# Allegro board 8880F5-0823_RXTX.brd (continued)
## Routing (per net, layer and track width the routed paths; a pad name or vN(x,y) marks a point on that pad's centre or on a via; arc(x,y) is an arc through that point) (continued)
D123.A6 246.38,56.69 ; D123.A6 247.19,55.88 ; D301.B16 346.15,91.44 ; D301.B16 344.73,91.44 ; D301.B16 345.44,92.15 ; D301.B16 345.44,90.73 ; D305.A11 407.11,83.82 ; D305.A11 406.4,83.11 ; D305.A11 405.69,83.82 ; D305.A11 406.4,84.53 ; D231.B4 193.85,368.3 ; D231.B4 193.04,367.49 ; D231.B4 192.23,368.3 ; D231.B4 193.04,369.11 ; D122.A3 239.57,73.66 ; D122.A3 238.76,72.85 ; D122.A3 238.76,74.47 ; D122.A3 237.95,73.66 ; 316.69,53.34 D103.A5 ; D103.A5 317.5,52.53 ; D103.A5 318.31,53.34 ; D103.A5 317.5,54.15 ; D431.A8 182.88,384.35 ; D431.A8 182.88,382.73 ; D431.A8 183.69,383.54 ; D431.A8 182.07,383.54 ; D111.A8 404.67,373.38 ; D111.A8 403.05,373.38 ; D111.A8 403.86,372.57 ; D111.A8 403.86,374.19 ; D110.B8 403.86,348.79 ; D110.B8 404.67,347.98 ; D110.B8 403.05,347.98 ; D110.B8 403.86,347.17 ; D302.A11 333.45,63.5 ; D302.A11 332.74,64.21 ; D302.A11 332.03,63.5 ; D302.A11 332.74,62.79 ; 175.26,67.87 D318.B7 ; D318.B7 174.55,68.58 ; D318.B7 175.26,69.29 ; D318.B7 175.97,68.58 ; D116.B6 336.09,388.62 ; D116.B6 335.28,387.81 ; D116.B6 334.47,388.62 ; D116.B6 335.28,389.43 ; D111.A12 394.51,373.38 ; D111.A12 393.7,372.57 ; D111.A12 393.7,374.19 ; D111.A12 392.89,373.38 ; D124.B9 254.81,38.1 ; D124.B9 254,38.91 ; D124.B9 254,37.29 ; D124.B9 253.19,38.1 ; D114.B1 347.98,351.33 ; D114.B1 347.98,349.71 ; D114.B1 348.79,350.52 ; D114.B1 347.17,350.52 ; 237.95,340.36 CSDPS425.C15 ; CSDPS425.C15 239.57,340.36 ; CSDPS425.C15 238.76,339.55 ; CSDPS425.C15 238.76,341.17 ; 255.73,35.56 D124.A10 ; D124.A10 256.54,34.75 ; D124.A10 257.35,35.56 ; D124.A10 256.54,36.37 ; 406.4,62.79 D306.A11 ; D306.A11 407.11,63.5 ; D306.A11 405.69,63.5 ; D306.A11 406.4,64.21 ; D431.B1 201.47,381 ; D431.B1 200.66,380.19 ; D431.B1 200.66,381.81 ; D431.B1 199.85,381 ; 414.02,90.73 D305.B14 ; D305.B14 414.73,91.44 ; D305.B14 413.31,91.44 ; D305.B14 414.02,92.15 ; D126.A2 15.24,77.01 ; D126.A2 16.05,76.2 ; D126.A2 14.43,76.2 ; D126.A2 15.24,75.39 ; 411.48,349.71 D110.B5 ; D110.B5 411.48,351.33 ; D110.B5 410.67,350.52 ; D110.B5 412.29,350.52 ; 169.47,63.5 D318.A5 ; D318.A5 170.18,62.79 ; D318.A5 170.89,63.5 ; D318.A5 170.18,64.21 ; 309.07,81.28 D102.B2 ; D102.B2 310.69,81.28 ; D102.B2 309.88,82.09 ; D102.B2 309.88,80.47 ; D128.A10 36.37,35.56 ; D128.A10 35.56,36.37 ; D128.A10 35.56,34.75 ; D128.A10 34.75,35.56 ; D115.A7 333.55,375.92 ; D115.A7 332.74,375.11 ; D115.A7 331.93,375.92 ; D115.A7 332.74,376.73 ; 233.68,52.53 D123.A1 ; D123.A1 232.87,53.34 ; D123.A1 234.49,53.34 ; D123.A1 233.68,54.15 ; D305.B4 388.62,92.15 ; D305.B4 388.62,90.73 ; D305.B4 387.91,91.44 ; D305.B4 389.33,91.44 ; 159.31,63.5 D318.A1 ; D318.A1 160.73,63.5 ; D318.A1 160.02,62.79 ; D318.A1 160.02,64.21 ; 322.58,349.71 D114.B11 ; D114.B11 323.39,350.52 ; D114.B11 321.77,350.52 ; D114.B11 322.58,351.33 ; 189.69,370.84 D231.B5 ; D231.B5 190.5,370.03 ; D231.B5 191.31,370.84 ; D231.B5 190.5,371.65 ; D111.A6 408.94,374.19 ; D111.A6 408.13,373.38 ; D111.A6 408.94,372.57 ; D111.A6 409.75,373.38 ; D302.B14 341.07,71.12 ; D302.B14 340.36,71.83 ; D302.B14 340.36,70.41 ; D302.B14 339.65,71.12 ; D431.A13 170.99,386.08 ; D431.A13 169.37,386.08 ; D431.A13 170.18,386.89 ; D431.A13 170.18,385.27 ; D107.A4 389.43,55.88 ; D107.A4 388.62,56.69 ; D107.A4 387.81,55.88 ; D107.A4 388.62,55.07 ; D113.A13 317.5,336.09 ; D113.A13 316.69,335.28 ; D113.A13 318.31,335.28 ; D113.A13 317.5,334.47 ; 184.61,53.34 D119.A11 ; D119.A11 186.23,53.34 ; D119.A11 185.42,52.53 ; D119.A11 185.42,54.15 ; 403.86,75.39 D106.A10 ; D106.A10 403.05,76.2 ; D106.A10 403.86,77.01 ; D106.A10 404.67,76.2 ; D317.A8 178.51,86.36 ; D317.A8 177.8,87.07 ; D317.A8 177.09,86.36 ; D317.A8 177.8,85.65 ; D301.A3 312.42,84.53 ; D301.A3 311.71,83.82 ; D301.A3 312.42,83.11 ; D301.A3 313.13,83.82 ; 306.53,78.74 D102.B1 ; D102.B1 307.34,79.55 ; D102.B1 308.15,78.74 ; D102.B1 307.34,77.93 ; 330.23,185.95 SITE4.G18 ; SITE4.G18 330.71,186.43 ; SITE4.G18 329.75,186.43 ; SITE4.G18 330.23,186.91 ; D109.A4 414.83,332.74 ; D109.A4 414.02,331.93 ; D109.A4 414.02,333.55 ; D109.A4 413.21,332.74 ; UNK2U1.4 483.53,228.55 ; UNK2U1.4 482.59,229.49 ; UNK2U1.4 481.65,228.55 ; UNK2U1.4 482.59,227.61 ; 248.21,63.5 D322.A7 ; D322.A7 248.92,62.79 ; D322.A7 249.63,63.5 ; D322.A7 248.92,64.21 ; 194.77,33.02 D120.A15 ; D120.A15 195.58,32.21 ; D120.A15 196.39,33.02 ; D120.A15 195.58,33.83 ; 101.6,37.29 D132.B7 ; D132.B7 102.41,38.1 ; D132.B7 101.6,38.91 ; D132.B7 100.79,38.1 ; D431.B6 187.96,379.27 ; D431.B6 187.15,378.46 ; D431.B6 188.77,378.46 ; D431.B6 187.96,377.65 ; D111.B13 391.16,371.65 ; D111.B13 390.35,370.84 ; D111.B13 391.97,370.84 ; D111.B13 391.16,370.03 ; 342.9,77.93 D102.B15 ; D102.B15 342.9,79.55 ; D102.B15 342.09,78.74 ; D102.B15 343.71,78.74 ; D127.B1 12.7,59.23 ; D127.B1 13.51,58.42 ; D127.B1 11.89,58.42 ; D127.B1 12.7,57.61 ; 248.11,58.42 D123.B7 ; D123.B7 249.73,58.42 ; D123.B7 248.92,57.61 ; D123.B7 248.92,59.23 ; D231.B2 198.12,369.11 ; D231.B2 197.31,368.3 ; D231.B2 198.93,368.3 ; D231.B2 198.12,367.49 ; D114.A14 315.77,353.06 ; D114.A14 314.96,352.25 ; D114.A14 314.15,353.06 ; D114.A14 314.96,353.87 ; D129.B5 97.33,99.06 ; D129.B5 96.52,99.87 ; D129.B5 96.52,98.25 ; D129.B5 95.71,99.06 ; D318.A2 162.56,66.75 ; D318.A2 161.85,66.04 ; D318.A2 163.27,66.04 ; D318.A2 162.56,65.33 ; D301.B4 315.67,91.44 ; D301.B4 314.96,90.73 ; D301.B4 314.96,92.15 ; D301.B4 314.25,91.44 ; D130.B9 106.68,79.55 ; D130.B9 106.68,77.93 ; D130.B9 105.87,78.74 ; D130.B9 107.49,78.74 ; D431.A4 193.85,383.54 ; D431.A4 193.04,384.35 ; D431.A4 192.23,383.54 ; D431.A4 193.04,382.73 ; 418.29,327.66 D109.B2 ; D109.B2 419.91,327.66 ; D109.B2 419.1,328.47 ; D109.B2 419.1,326.85 ; D231.B17 160.83,370.84 ; D231.B17 159.21,370.84 ; D231.B17 160.02,371.65 ; D231.B17 160.02,370.03 ; D103.B15 343.71,58.42 ; D103.B15 342.9,59.23 ; D103.B15 342.09,58.42 ; D103.B15 342.9,57.61 ; 27.13,99.06 D125.B7 ; D125.B7 27.94,98.25 ; D125.B7 28.75,99.06 ; 248.11,33.02 D124.A7 ; D124.A7 248.92,32.21 ; D124.A7 248.92,33.83 ; D124.A7 249.73,33.02 ; 235.51,66.04 D322.A2 ; D322.A2 236.22,65.33 ; D322.A2 236.93,66.04 ; D322.A2 236.22,66.75 ; D107.B6 393.7,61.77 ; D107.B6 393.7,60.15 ; D107.B6 392.89,60.96 ; D107.B6 394.51,60.96 ; D115.B14 315.77,368.3 ; D115.B14 314.96,367.49 ; D115.B14 314.15,368.3 ; D115.B14 314.96,369.11 ; D102.A6 320.85,76.2 ; D102.A6 319.23,76.2 ; D102.A6 320.04,77.01 ; D102.A6 320.04,75.39 ; 337.82,83.11 D301.A13 ; D301.A13 338.53,83.82 ; D301.A13 337.82,84.53 ; D301.A13 337.11,83.82 ; 324.31,332.74 D113.A10 ; D113.A10 325.12,331.93 ; D113.A10 325.93,332.74 ; D113.A10 325.12,333.55 ; 161.75,383.54 D431.A16 ; D431.A16 162.56,384.35 ; D431.A16 163.37,383.54 ; D431.A16 162.56,382.73 ; 393.7,55.07 D107.A6 ; D107.A6 394.51,55.88 ; D107.A6 393.7,56.69 ; D107.A6 392.89,55.88 ; D131.B7 101.6,59.23 ; D131.B7 100.79,58.42 ; D131.B7 101.6,57.61 ; D131.B7 102.41,58.42 ; D128.B15 48.26,38.91 ; D128.B15 48.26,37.29 ; D128.B15 49.07,38.1 ; D128.B15 47.45,38.1 ; D110.A6 408.94,353.87 ; D110.A6 408.13,353.06 ; D110.A6 408.94,352.25 ; D110.A6 409.75,353.06 ; DPS3.C11 259.89,19.05 ; DPS3.C11 259.08,19.86 ; DPS3.C11 259.08,18.24 ; DPS3.C11 258.27,19.05 ; D306.A14 414.02,66.75 ; D306.A14 413.31,66.04 ; D306.A14 414.02,65.33 ; D306.A14 414.73,66.04 ; 320.04,39.83 D104.B6 ; D104.B6 320.04,41.45 ; D104.B6 319.23,40.64 ; D104.B6 320.85,40.64 ; 390.45,88.9 D305.B5 ; D305.B5 391.16,89.61 ; D305.B5 391.87,88.9 ; D305.B5 391.16,88.19 ; 400.61,88.9 D305.B9 ; D305.B9 401.32,89.61 ; D305.B9 402.03,88.9 ; D305.B9 401.32,88.19 ; DPS2.A01 347.98,416.1 ; DPS2.A01 348.79,415.29 ; DPS2.A01 347.98,414.48 ; DPS2.A01 347.17,415.29 ; D130.A1 86.36,74.47 ; D130.A1 86.36,72.85 ; D130.A1 87.17,73.66 ; D130.A1 85.55,73.66 ; D302.A9 327.66,64.21 ; D302.A9 327.66,62.79 ; D302.A9 326.95,63.5 ; D302.A9 328.37,63.5 ; D103.A9 328.47,53.34 ; D103.A9 327.66,54.15 ; D103.A9 326.85,53.34 ; D103.A9 327.66,52.53 ; D104.A4 315.77,35.56 ; D104.A4 314.96,36.37 ; D104.A4 314.15,35.56 ; D104.A4 314.96,34.75 ; 330.2,367.49 D115.B8 ; D115.B8 331.01,368.3 ; D115.B8 329.39,368.3 ; D115.B8 330.2,369.11 ; D131.B8 104.14,61.77 ; D131.B8 103.33,60.96 ; D131.B8 104.95,60.96 ; D131.B8 104.14,60.15 ; 167.64,39.83 D120.B4 ; D120.B4 166.83,40.64 ; D120.B4 167.64,41.45 ; D120.B4 168.45,40.64 ; 180.34,375.11 D231.A9 ; D231.A9 179.53,375.92 ; D231.A9 180.34,376.73 ; D231.A9 181.15,375.92 ; 264.16,67.87 D322.B13 ; D322.B13 263.45,68.58 ; D322.B13 264.87,68.58 ; D322.B13 264.16,69.29 ; SITE4.G10 331.33,188.41 ; SITE4.G10 331.33,187.45 ; SITE4.G10 330.85,187.93 ; SITE4.G10 331.81,187.93 ; D431.B15 165.1,381.81 ; D431.B15 164.29,381 ; D431.B15 165.1,380.19 ; D431.B15 165.91,381 ; D109.B16 383.54,328.47 ; D109.B16 384.35,327.66 ; D109.B16 383.54,326.85 ; D109.B16 382.73,327.66 ; 332.74,57.61 D103.B11 ; D103.B11 333.55,58.42 ; D103.B11 332.74,59.23 ; D103.B11 331.93,58.42 ; 246.38,65.33 D322.A6 ; D322.A6 247.09,66.04 ; D322.A6 245.67,66.04 ; D322.A6 246.38,66.75 ; D107.B10 403.86,61.77 ; D107.B10 404.67,60.96 ; D107.B10 403.05,60.96 ; D107.B10 403.86,60.15 ; D131.B1 87.17,58.42 ; D131.B1 85.55,58.42 ; D131.B1 86.36,59.23 ; D131.B1 86.36,57.61 ; 232.97,83.82 D321.A1 ; D321.A1 234.39,83.82 ; D321.A1 233.68,83.11 ; D321.A1 233.68,84.53 ; D306.A8 398.78,66.75 ; D306.A8 399.49,66.04 ; D306.A8 398.07,66.04 ; D306.A8 398.78,65.33 ; 395.43,78.74 D106.B7 ; D106.B7 396.24,77.93 ; D106.B7 396.24,79.55 ; D106.B7 397.05,78.74 ; D113.B7 332.74,331.01 ; D113.B7 332.74,329.39 ; D113.B7 331.93,330.2 ; D113.B7 333.55,330.2 ; 32.21,33.02 D128.A9 ; D128.A9 33.83,33.02 ; D128.A9 33.02,33.83 ; D128.A9 33.02,32.21 ; 309.17,71.12 D302.B2 ; D302.B2 309.88,71.83 ; D302.B2 310.59,71.12 ; D302.B2 309.88,70.41 ; 385.27,38.1 D108.B3 ; D108.B3 386.89,38.1 ; D108.B3 386.08,38.91 ; D108.B3 386.08,37.29 ; 251.46,85.65 D321.A8 ; D321.A8 251.46,87.07 ; D321.A8 252.17,86.36 ; D321.A8 250.75,86.36 ; D104.A16 346.25,35.56 ; D104.A16 345.44,36.37 ; D104.A16 344.63,35.56 ; D104.A16 345.44,34.75 ; 314.15,327.66 D113.B14 ; D113.B14 314.96,326.85 ; D113.B14 315.77,327.66 ; D113.B14 314.96,328.47 ; 420.83,391.16 D112.B1 ; D112.B1 422.45,391.16 ; D112.B1 421.64,391.97 ; D112.B1 421.64,390.35 ; 411.48,370.03 D111.B5 ; D111.B5 411.48,371.65 ; D111.B5 410.67,370.84 ; D111.B5 412.29,370.84 ; 333.33,247.45 SITE2.G12 ; SITE2.G12 333.81,247.93 ; SITE2.G12 332.85,247.93 ; SITE2.G12 333.33,248.41 ; 182.88,85.65 D317.A10 ; D317.A10 182.17,86.36 ; D317.A10 182.88,87.07 ; D317.A10 183.59,86.36 ; D128.A6 26.21,35.56 ; D128.A6 25.4,34.75 ; D128.A6 24.59,35.56 ; D128.A6 25.4,36.37 ; 319.23,35.56 D104.A6 ; D104.A6 320.85,35.56 ; D104.A6 320.04,36.37 ; D104.A6 320.04,34.75 ; D317.A9 180.34,84.53 ; D317.A9 179.63,83.82 ; D317.A9 180.34,83.11 ; D317.A9 181.05,83.82 ; D116.A4 340.36,394.51 ; D116.A4 340.36,392.89 ; D116.A4 339.55,393.7 ; D116.A4 341.17,393.7 ; 251.85,241.33 SITE1.G5 ; SITE1.G5 252.81,241.33 ; SITE1.G5 252.33,241.81 ; SITE1.G5 252.33,240.85 ; 108.41,96.52 D129.A10 ; D129.A10 110.03,96.52 ; D129.A10 109.22,97.33 ; D129.A10 109.22,95.71 ; D116.B4 340.36,389.43 ; D116.B4 341.17,388.62 ; D116.B4 340.36,387.81 ; D116.B4 339.55,388.62 ; D128.B16 50.8,41.45 ; D128.B16 50.8,39.83 ; D128.B16 51.61,40.64 ; D128.B16 49.99,40.64 ; 161.75,373.38 D231.A16 ; D231.A16 162.56,372.57 ; D231.A16 163.37,373.38 ; D231.A16 162.56,374.19 ; D306.B13 412.19,68.58 ; D306.B13 410.77,68.58 ; D306.B13 411.48,69.29 ; D306.B13 411.48,67.87 ; 390.45,63.5 D306.A5 ; D306.A5 391.16,62.79 ; D306.A5 391.16,64.21 ; D306.A5 391.87,63.5 ; D321.B11 259.79,88.9 ; D321.B11 258.37,88.9 ; D321.B11 259.08,88.19 ; D321.B11 259.08,89.61 ; 410.67,38.1 D108.B13 ; D108.B13 412.29,38.1 ; D108.B13 411.48,37.29 ; D108.B13 411.48,38.91 ; 121.92,57.61 D131.B15 ; D131.B15 121.11,58.42 ; D131.B15 122.73,58.42 ; D131.B15 121.92,59.23 ; 162.56,377.65 D431.B16 ; D431.B16 161.75,378.46 ; D431.B16 163.37,378.46 ; D431.B16 162.56,379.27 ; D112.A15 386.08,397.05 ; D112.A15 386.08,395.43 ; D112.A15 386.89,396.24 ; D112.A15 385.27,396.24 ; SITE3.G17 249.03,186.91 ; SITE3.G17 249.51,186.43 ; SITE3.G17 249.03,185.95 ; SITE3.G17 248.55,186.43 ; 382.73,40.64 D108.B2 ; D108.B2 383.54,39.83 ; D108.B2 383.54,41.45 ; D108.B2 384.35,40.64 ; 20.32,60.15 D127.B4 ; D127.B4 21.13,60.96 ; D127.B4 20.32,61.77 ; D127.B4 19.51,60.96 ; SITE4.G7 328.81,187.93 ; SITE4.G7 327.85,187.93 ; SITE4.G7 328.33,188.41 ; SITE4.G7 328.33,187.45 ; 317.5,354.79 D114.A13 ; D114.A13 317.5,356.41 ; D114.A13 318.31,355.6 ; D114.A13 316.69,355.6 ; 238.76,67.87 D322.B3 ; D322.B3 238.05,68.58 ; D322.B3 239.47,68.58 ; D322.B3 238.76,69.29 ; DPS1.C05 391.97,19.05 ; DPS1.C05 391.16,18.24 ; DPS1.C05 391.16,19.86 ; DPS1.C05 390.35,19.05 ; D122.A16 272.59,76.2 ; D122.A16 271.78,75.39 ; D122.A16 271.78,77.01 ; D122.A16 270.97,76.2 ; D431.A5 190.5,386.89 ; D431.A5 191.31,386.08 ; D431.A5 190.5,385.27 ; D431.A5 189.69,386.08 ; 415.75,53.34 D107.A15 ; D107.A15 417.37,53.34 ; D107.A15 416.56,52.53 ; D107.A15 416.56,54.15 ; 306.63,88.9 D301.B1 ; D301.B1 307.34,88.19 ; D301.B1 307.34,89.61 ; D301.B1 308.05,88.9 ; D106.B3 386.89,78.74 ; D106.B3 385.27,78.74 ; D106.B3 386.08,77.93 ; D106.B3 386.08,79.55 ; D124.B16 271.78,41.45 ; D124.B16 271.78,39.83 ; D124.B16 270.97,40.64 ; D124.B16 272.59,40.64 ; SITE1.G8 249.33,248.41 ; SITE1.G8 248.85,247.93 ; SITE1.G8 249.33,247.45 ; SITE1.G8 249.81,247.93 ; 256.54,55.07 D123.A10 ; D123.A10 255.73,55.88 ; D123.A10 256.54,56.69 ; D123.A10 257.35,55.88 ; D306.A12 408.94,66.75 ; D306.A12 408.94,65.33 ; D306.A12 408.23,66.04 ; D306.A12 409.65,66.04 ; 400.61,68.58 D306.B9 ; D306.B9 401.32,67.87 ; D306.B9 401.32,69.29 ; D306.B9 402.03,68.58 ; 335.28,372.57 D115.A6 ; D115.A6 335.28,374.19 ; D115.A6 334.47,373.38 ; D115.A6 336.09,373.38 ; D305.B6 393.7,92.15 ; D305.B6 394.41,91.44 ; D305.B6 392.99,91.44 ; D305.B6 393.7,90.73 ; CSDPS225.B16 237.03,332.74 ; CSDPS225.B16 236.22,333.55 ; CSDPS225.B16 235.41,332.74 ; CSDPS225.B16 236.22,331.93 ; D126.A8 30.48,77.01 ; D126.A8 30.48,75.39 ; D126.A8 31.29,76.2 ; D126.A8 29.67,76.2 ; 340.36,65.33 D302.A14 ; D302.A14 339.65,66.04 ; D302.A14 340.36,66.75 ; D302.A14 341.07,66.04 ; D104.B10 331.01,40.64 ; D104.B10 330.2,41.45 ; D104.B10 329.39,40.64 ; D104.B10 330.2,39.83 ; 403.05,55.88 D107.A10 ; D107.A10 403.86,56.69 ; D107.A10 403.86,55.07 ; D107.A10 404.67,55.88 ; D305.B8 399.49,91.44 ; D305.B8 398.07,91.44 ; D305.B8 398.78,92.15 ; D305.B8 398.78,90.73 ; D115.B9 328.47,370.84 ; D115.B9 326.85,370.84 ; D115.B9 327.66,371.65 ; D115.B9 327.66,370.03 ; 184.61,38.1 D120.B11 ; D120.B11 185.42,37.29 ; D120.B11 185.42,38.91 ; D120.B11 186.23,38.1 ; 328.33,247.45 SITE2.G7 ; SITE2.G7 327.85,247.93 ; SITE2.G7 328.81,247.93 ; SITE2.G7 328.33,248.41 ; CSDPS425.B8 256.54,343.71 ; CSDPS425.B8 255.73,342.9 ; CSDPS425.B8 257.35,342.9 ; CSDPS425.B8 256.54,342.09 ; 108.41,40.64 D132.B10 ; D132.B10 109.22,41.45 ; D132.B10 110.03,40.64 ; D132.B10 109.22,39.83 ; 98.25,35.56 D132.A6 ; D132.A6 99.06,34.75 ; D132.A6 99.87,35.56 ; D132.A6 99.06,36.37 ; 327.66,329.39 D113.B9 ; D113.B9 327.66,331.01 ; D113.B9 326.85,330.2 ; D113.B9 328.47,330.2 ; 329.33,247.45 SITE2.G8 ; SITE2.G8 329.33,248.41 ; SITE2.G8 328.85,247.93 ; SITE2.G8 329.81,247.93 ; D128.B8 30.48,41.45 ; D128.B8 31.29,40.64 ; D128.B8 29.67,40.64 ; D128.B8 30.48,39.83 ; D113.B6 336.09,327.66 ; D113.B6 335.28,328.47 ; D113.B6 335.28,326.85 ; D113.B6 334.47,327.66 ; 245.57,76.2 D122.A6 ; D122.A6 246.38,77.01 ; D122.A6 247.19,76.2 ; D122.A6 246.38,75.39 ; D109.B9 402.13,330.2 ; D109.B9 401.32,331.01 ; D109.B9 400.51,330.2 ; D109.B9 401.32,329.39 ; D115.B7 333.55,370.84 ; D115.B7 331.93,370.84 ; D115.B7 332.74,371.65 ; D115.B7 332.74,370.03 ; 159.21,33.02 D120.A1 ; D120.A1 160.02,32.21 ; D120.A1 160.83,33.02 ; D120.A1 160.02,33.83 ; D119.B7 175.26,59.23 ; D119.B7 174.45,58.42 ; D119.B7 175.26,57.61 ; D119.B7 176.07,58.42 ; D103.A15 342.9,54.15 ; D103.A15 342.9,52.53 ; D103.A15 343.71,53.34 ; D103.A15 342.09,53.34 ; 20.32,100.79 D125.B4 ; D125.B4 21.13,101.6 ; D125.B4 20.32,102.41 ; D125.B4 19.51,101.6 ; D124.B10 256.54,41.45 ; D124.B10 256.54,39.83 ; D124.B10 255.73,40.64 ; D124.B10 257.35,40.64 ; D124.A13 264.16,33.83 ; D124.A13 264.97,33.02 ; D124.A13 263.35,33.02 ; D124.A13 264.16,32.21 ; D318.B4 168.35,71.12 ; D318.B4 166.93,71.12 ; D318.B4 167.64,71.83 ; D318.B4 167.64,70.41 ; D131.B2 89.71,60.96 ; D131.B2 88.09,60.96 ; D131.B2 88.9,60.15 ; D131.B2 88.9,61.77 ; SITE4.G20 333.11,186.43 ; SITE4.G20 332.63,186.91 ; SITE4.G20 332.15,186.43 ; SITE4.G20 332.63,185.95 ; D104.B5 318.31,38.1 ; D104.B5 316.69,38.1 ; D104.B5 317.5,37.29 ; D104.B5 317.5,38.91 ; 110.95,73.66 D130.A11 ; D130.A11 112.57,73.66 ; D130.A11 111.76,74.47 ; D130.A11 111.76,72.85 ; 197.31,76.2 D118.A16 ; D118.A16 198.93,76.2 ; D118.A16 198.12,77.01 ; D118.A16 198.12,75.39 ; D116.B5 337.82,391.97 ; D116.B5 337.01,391.16 ; D116.B5 338.63,391.16 ; D116.B5 337.82,390.35 ; CSDPS429.C15 165.1,341.17 ; CSDPS429.C15 164.29,340.36 ; CSDPS429.C15 165.91,340.36 ; CSDPS429.C15 165.1,339.55 ; D131.B3 91.44,59.23 ; D131.B3 92.25,58.42 ; D131.B3 90.63,58.42 ; D131.B3 91.44,57.61 ; 337.82,67.87 D302.B13 ; D302.B13 337.82,69.29 ; D302.B13 337.11,68.58 ; D302.B13 338.53,68.58 ; 245.57,60.96 D123.B6 ; D123.B6 246.38,61.77 ; D123.B6 246.38,60.15 ; D123.B6 247.19,60.96 ; D120.B2 162.56,41.45 ; D120.B2 161.75,40.64 ; D120.B2 163.37,40.64 ; D120.B2 162.56,39.83 ; D116.B9 328.47,391.16 ; D116.B9 327.66,390.35 ; D116.B9 327.66,391.97 ; D116.B9 326.85,391.16 ; 345.44,85.65 D301.A16 ; D301.A16 344.73,86.36 ; D301.A16 345.44,87.07 ; D301.A16 346.15,86.36 ; D119.B4 168.45,60.96 ; D119.B4 166.83,60.96 ; D119.B4 167.64,61.77 ; D119.B4 167.64,60.15 ; D118.A7 175.26,74.47 ; D118.A7 175.26,72.85 ; D118.A7 174.45,73.66 ; D118.A7 176.07,73.66 ; 250.95,242.83 SITE1.G15 ; SITE1.G15 251.43,242.35 ; SITE1.G15 251.43,243.31 ; SITE1.G15 251.91,242.83 ; 167.64,65.33 D318.A4 ; D318.A4 167.64,66.75 ; D318.A4 166.93,66.04 ; D318.A4 168.35,66.04 ; 329.39,347.98 D114.B8 ; D114.B8 331.01,347.98 ; D114.B8 330.2,348.79 ; D114.B8 330.2,347.17 ; D112.B4 414.02,389.43 ; D112.B4 414.02,387.81 ; D112.B4 414.83,388.62 ; D112.B4 413.21,388.62 ; 337.82,37.29 D104.B13 ; D104.B13 337.01,38.1 ; D104.B13 337.82,38.91 ; D104.B13 338.63,38.1 ; SITE1.G19 251.91,246.43 ; SITE1.G19 250.95,246.43 ; SITE1.G19 251.43,246.91 ; SITE1.G19 251.43,245.95 ; D129.B12 114.3,102.41 ; D129.B12 114.3,100.79 ; D129.B12 115.11,101.6 ; D129.B12 113.49,101.6 ; D123.A8 252.27,55.88 ; D123.A8 251.46,56.69 ; D123.A8 250.65,55.88 ; D123.A8 251.46,55.07 ; D108.A16 419.1,36.37 ; D108.A16 419.91,35.56 ; D108.A16 418.29,35.56 ; D108.A16 419.1,34.75 ; 27.13,93.98 D125.A7 ; D125.A7 27.94,94.79 ; D125.A7 27.94,93.17 ; D125.A7 28.75,93.98 ; D102.B12 336.09,81.28 ; D102.B12 335.28,80.47 ; D102.B12 334.47,81.28 ; D102.B12 335.28,82.09 ; 393.7,347.17 D110.B12 ; D110.B12 394.51,347.98 ; D110.B12 392.89,347.98 ; D110.B12 393.7,348.79 ; D124.B6 246.38,41.45 ; D124.B6 246.38,39.83 ; D124.B6 247.19,40.64 ; D124.B6 245.57,40.64 ; D122.A4 242.11,76.2 ; D122.A4 241.3,75.39 ; D122.A4 241.3,77.01 ; D122.A4 240.49,76.2 ; D321.A11 259.79,83.82 ; D321.A11 259.08,84.53 ; D321.A11 258.37,83.82 ; D321.A11 259.08,83.11 ; D112.B15 386.08,391.97 ; D112.B15 385.27,391.16 ; D112.B15 386.89,391.16 ; D112.B15 386.08,390.35 ; D111.B3 417.37,370.84 ; D111.B3 416.56,370.03 ; D111.B3 416.56,371.65 ; D111.B3 415.75,370.84 ; 397.97,327.66 D109.B10 ; D109.B10 398.78,328.47 ; D109.B10 398.78,326.85 ; D109.B10 399.59,327.66 ; D318.A3 165.1,64.21 ; D318.A3 165.81,63.5 ; D318.A3 165.1,62.79 ; D318.A3 164.39,63.5 ; 174.45,38.1 D120.B7 ; D120.B7 175.26,38.91 ; D120.B7 176.07,38.1 ; D120.B7 175.26,37.29 ; D322.A3 239.47,63.5 ; D322.A3 238.76,64.21 ; D322.A3 238.76,62.79 ; D322.A3 238.05,63.5 ; 309.07,35.56 D104.A2 ; D104.A2 310.69,35.56 ; D104.A2 309.88,34.75 ; D104.A2 309.88,36.37 ; 307.34,32.21 D104.A1 ; D104.A1 308.15,33.02 ; D104.A1 306.53,33.02 ; D104.A1 307.34,33.83 ; 12.7,93.17 D125.A1 ; D125.A1 11.89,93.98 ; D125.A1 13.51,93.98 ; D125.A1 12.7,94.79 ; D302.A1 307.34,64.21 ; D302.A1 307.34,62.79 ; D302.A1 308.05,63.5 ; D302.A1 306.63,63.5 ; 388.62,352.25 D110.A14 ; D110.A14 389.43,353.06 ; D110.A14 387.81,353.06 ; D110.A14 388.62,353.87 ; D129.B6 99.06,102.41 ; D129.B6 98.25,101.6 ; D129.B6 99.87,101.6 ; D129.B6 99.06,100.79 ; D305.B10 404.57,91.44 ; D305.B10 403.86,92.15 ; D305.B10 403.86,90.73 ; D305.B10 403.15,91.44 ; D322.B14 267.41,71.12 ; D322.B14 265.99,71.12 ; D322.B14 266.7,71.83 ; D322.B14 266.7,70.41 ; D128.A11 38.1,33.83 ; D128.A11 38.91,33.02 ; D128.A11 38.1,32.21 ; D128.A11 37.29,33.02 ; D110.A16 383.54,353.87 ; D110.A16 383.54,352.25 ; D110.A16 382.73,353.06 ; D110.A16 384.35,353.06 ; D102.A11 333.55,73.66 ; D102.A11 332.74,72.85 ; D102.A11 332.74,74.47 ; D102.A11 331.93,73.66 ; D131.B9 106.68,59.23 ; D131.B9 105.87,58.42 ; D131.B9 106.68,57.61 ; D131.B9 107.49,58.42 ; D132.B11 112.57,38.1 ; D132.B11 111.76,37.29 ; D132.B11 110.95,38.1 ; D132.B11 111.76,38.91 ; D108.B14 414.83,40.64 ; D108.B14 413.21,40.64 ; D108.B14 414.02,41.45 ; D108.B14 414.02,39.83 ; SITE1.G13 249.03,243.31 ; SITE1.G13 248.55,242.83 ; SITE1.G13 249.51,242.83 ; SITE1.G13 249.03,242.35 ; CSDPS425.C5 264.16,341.17 ; CSDPS425.C5 264.97,340.36 ; CSDPS425.C5 264.16,339.55 ; CSDPS425.C5 263.35,340.36 ; 22.86,98.25 D125.B5 ; D125.B5 23.67,99.06 ; D125.B5 22.86,99.87 ; D125.B5 22.05,99.06 ; 182.88,39.83 D120.B10 ; D120.B10 183.69,40.64 ; D120.B10 182.88,41.45 ; D120.B10 182.07,40.64 ; 325.12,65.33 D302.A8 ; D302.A8 324.41,66.04 ; D302.A8 325.83,66.04 ; D302.A8 325.12,66.75 ; 415.75,38.1 D108.B15 ; D108.B15 416.56,38.91 ; D108.B15 417.37,38.1 ; D108.B15 416.56,37.29 ; D231.B1 200.66,371.65 ; D231.B1 201.47,370.84 ; D231.B1 199.85,370.84 ; D231.B1 200.66,370.03 ; 110.95,78.74 D130.B11 ; D130.B11 112.57,78.74 ; D130.B11 111.76,77.93 ; D130.B11 111.76,79.55 ; D111.B4 414.02,369.11 ; D111.B4 413.21,368.3 ; D111.B4 414.02,367.49 ; D111.B4 414.83,368.3 ; 311.61,73.66 D102.A3 ; D102.A3 312.42,74.47 ; D102.A3 312.42,72.85 ; D102.A3 313.23,73.66 ; DPS2.A11 322.58,416.1 ; DPS2.A11 321.77,415.29 ; DPS2.A11 322.58,414.48 ; DPS2.A11 323.39,415.29 ; 108.41,55.88 D131.A10 ; D131.A10 109.22,56.69 ; D131.A10 109.22,55.07 ; D131.A10 110.03,55.88 ; 340.36,60.15 D103.B14 ; D103.B14 340.36,61.77 ; D103.B14 339.55,60.96 ; D103.B14 341.17,60.96 ; 179.63,68.58 D318.B9 ; D318.B9 180.34,67.87 ; D318.B9 181.05,68.58 ; D318.B9 180.34,69.29 ; 251.46,75.39 D122.A8 ; D122.A8 251.46,77.01 ; D122.A8 252.27,76.2 ; D122.A8 250.65,76.2 ; 408.13,393.7 D112.A6 ; D112.A6 408.94,392.89 ; D112.A6 409.75,393.7 ; D112.A6 408.94,394.51 ; D104.A8 325.12,36.37 ; D104.A8 325.12,34.75 ; D104.A8 324.31,35.56 ; D104.A8 325.93,35.56 ; D115.B16 309.88,369.11 ; D115.B16 309.88,367.49 ; D115.B16 309.07,368.3 ; D115.B16 310.69,368.3 ; 406.4,88.19 D305.B11 ; D305.B11 407.11,88.9 ; D305.B11 406.4,89.61 ; D305.B11 405.69,88.9 ; 252.63,245.95 SITE1.G20 ; SITE1.G20 252.15,246.43 ; SITE1.G20 253.11,246.43 ; SITE1.G20 252.63,246.91 ; 382.73,81.28 D106.B2 ; D106.B2 383.54,82.09 ; D106.B2 384.35,81.28 ; D106.B2 383.54,80.47 ; D119.A10 182.88,56.69 ; D119.A10 182.07,55.88 ; D119.A10 183.69,55.88 ; D119.A10 182.88,55.07 ; D111.A3 416.56,376.73 ; D111.A3 417.37,375.92 ; D111.A3 415.75,375.92 ; D111.A3 416.56,375.11 ; D116.B16 309.88,389.43 ; D116.B16 309.88,387.81 ; D116.B16 310.69,388.62 ; D116.B16 309.07,388.62 ; 337.01,58.42 D103.B13 ; D103.B13 338.63,58.42 ; D103.B13 337.82,59.23 ; D103.B13 337.82,57.61 ; D108.A9 401.32,33.83 ; D108.A9 400.51,33.02 ; D108.A9 401.32,32.21 ; D108.A9 402.13,33.02 ; D103.B9 327.66,59.23 ; D103.B9 327.66,57.61 ; D103.B9 326.85,58.42 ; D103.B9 328.47,58.42 ; D108.B1 381.81,38.1 ; D108.B1 381,37.29 ; D108.B1 380.19,38.1 ; D108.B1 381,38.91 ; 187.15,40.64 D120.B12 ; D120.B12 187.96,39.83 ; D120.B12 187.96,41.45 ; D120.B12 188.77,40.64 ; DPS8.C01 201.47,410.21 ; DPS8.C01 200.66,409.4 ; DPS8.C01 199.85,410.21 ; DPS8.C01 200.66,411.02 ; 248.11,73.66 D122.A7 ; D122.A7 249.73,73.66 ; D122.A7 248.92,72.85 ; D122.A7 248.92,74.47 ; D116.B15 313.23,391.16 ; D116.B15 312.42,391.97 ; D116.B15 311.61,391.16 ; D116.B15 312.42,390.35 ; D113.A9 327.66,336.09 ; D113.A9 328.47,335.28 ; D113.A9 326.85,335.28 ; D113.A9 327.66,334.47 ; 27.94,72.85 D126.A7 ; D126.A7 28.75,73.66 ; D126.A7 27.13,73.66 ; D126.A7 27.94,74.47 ; 179.53,386.08 D431.A9 ; D431.A9 181.15,386.08 ; D431.A9 180.34,385.27 ; D431.A9 180.34,386.89 ; D106.B13 412.29,78.74 ; D106.B13 410.67,78.74 ; D106.B13 411.48,77.93 ; D106.B13 411.48,79.55 ; D116.A11 323.39,396.24 ; D116.A11 322.58,397.05 ; D116.A11 321.77,396.24 ; D116.A11 322.58,395.43 ; D110.B10 398.78,348.79 ; D110.B10 397.97,347.98 ; D110.B10 398.78,347.17 ; D110.B10 399.59,347.98 ; 269.24,83.11 D321.A15 ; D321.A15 268.53,83.82 ; D321.A15 269.95,83.82 ; D321.A15 269.24,84.53 ; D302.B3 312.42,69.29 ; D302.B3 313.13,68.58 ; D302.B3 311.71,68.58 ; D302.B3 312.42,67.87 ; D111.B6 408.94,369.11 ; D111.B6 408.94,367.49 ; D111.B6 409.75,368.3 ; D111.B6 408.13,368.3 ; D110.A9 402.13,355.6 ; D110.A9 401.32,354.79 ; D110.A9 401.32,356.41 ; D110.A9 400.51,355.6 ; 271.78,331.93 CSDPS225.B2 ; CSDPS225.B2 270.97,332.74 ; CSDPS225.B2 272.59,332.74 ; CSDPS225.B2 271.78,333.55 ; D317.B11 185.42,89.61 ; D317.B11 186.13,88.9 ; D317.B11 185.42,88.19 ; D317.B11 184.71,88.9 ; D129.A2 88.9,97.33 ; D129.A2 88.09,96.52 ; D129.A2 89.71,96.52 ; D129.A2 88.9,95.71 ; 161.75,368.3 D231.B16 ; D231.B16 162.56,369.11 ; D231.B16 163.37,368.3 ; D231.B16 162.56,367.49 ; 327.66,72.85 D102.A9 ; D102.A9 328.47,73.66 ; D102.A9 327.66,74.47 ; D102.A9 326.85,73.66 ; D321.B2 236.22,92.15 ; D321.B2 235.51,91.44 ; D321.B2 236.93,91.44 ; D321.B2 236.22,90.73 ; 316.79,63.5 D302.A5 ; D302.A5 317.5,64.21 ; D302.A5 318.21,63.5 ; D302.A5 317.5,62.79 ; D103.B10 330.2,61.77 ; D103.B10 330.2,60.15 ; D103.B10 331.01,60.96 ; D103.B10 329.39,60.96 ; D124.A12 262.43,35.56 ; D124.A12 261.62,36.37 ; D124.A12 261.62,34.75 ; D124.A12 260.81,35.56 ; 324.31,40.64 D104.B8 ; D104.B8 325.93,40.64 ; D104.B8 325.12,39.83 ; D104.B8 325.12,41.45 ; D104.A12 336.09,35.56 ; D104.A12 335.28,34.75 ; D104.A12 335.28,36.37 ; D104.A12 334.47,35.56 ; SITE1.G6 253.33,241.81 ; SITE1.G6 253.81,241.33 ; SITE1.G6 253.33,240.85 ; SITE1.G6 252.85,241.33 ; D123.B13 264.16,59.23 ; D123.B13 264.97,58.42 ; D123.B13 263.35,58.42 ; D123.B13 264.16,57.61 ; 260.81,76.2 D122.A12 ; D122.A12 261.62,75.39 ; D122.A12 261.62,77.01 ; D122.A12 262.43,76.2 ; D306.B11 406.4,69.29 ; D306.B11 406.4,67.87 ; D306.B11 407.11,68.58 ; D306.B11 405.69,68.58 ; D231.B9 180.34,371.65 ; D231.B9 179.53,370.84 ; D231.B9 180.34,370.03 ; D231.B9 181.15,370.84 ; D115.A10 325.12,374.19 ; D115.A10 324.31,373.38 ; D115.A10 325.12,372.57 ; D115.A10 325.93,373.38 ; 403.86,70.41 D306.B10 ; D306.B10 403.15,71.12 ; D306.B10 404.57,71.12 ; D306.B10 403.86,71.83 ; D116.A6 335.28,394.51 ; D116.A6 336.09,393.7 ; D116.A6 335.28,392.89 ; D116.A6 334.47,393.7 ; 306.53,38.1 D104.B1 ; D104.B1 307.34,38.91 ; D104.B1 307.34,37.29 ; D104.B1 308.15,38.1 ; 49.99,76.2 D126.A16 ; D126.A16 50.8,77.01 ; D126.A16 50.8,75.39 ; D126.A16 51.61,76.2 ; D126.A11 38.91,73.66 ; D126.A11 38.1,72.85 ; D126.A11 38.1,74.47 ; D126.A11 37.29,73.66 ; D102.A14 341.17,76.2 ; D102.A14 339.55,76.2 ; D102.A14 340.36,77.01 ; D102.A14 340.36,75.39 ; 50.8,95.71 D125.A16 ; D125.A16 49.99,96.52 ; D125.A16 50.8,97.33 ; D125.A16 51.61,96.52 ; 414.02,372.57 D111.A4 ; D111.A4 414.83,373.38 ; D111.A4 414.02,374.19 ; D111.A4 413.21,373.38 ; D128.A2 16.05,35.56 ; D128.A2 15.24,34.75 ; D128.A2 14.43,35.56 ; D128.A2 15.24,36.37 ; D231.A1 200.66,376.73 ; D231.A1 201.47,375.92 ; D231.A1 200.66,375.11 ; D231.A1 199.85,375.92 ; D322.B10 257.25,71.12 ; D322.B10 256.54,71.83 ; D322.B10 256.54,70.41 ; D322.B10 255.83,71.12 ; 320.04,55.07 D103.A6 ; D103.A6 320.85,55.88 ; D103.A6 320.04,56.69 ; D103.A6 319.23,55.88 ; D107.A8 399.59,55.88 ; D107.A8 398.78,55.07 ; D107.A8 397.97,55.88 ; D107.A8 398.78,56.69 ; D431.A17 160.83,386.08 ; D431.A17 159.21,386.08 ; D431.A17 160.02,386.89 ; D431.A17 160.02,385.27 ; 339.55,373.38 D115.A4 ; D115.A4 340.36,374.19 ; D115.A4 341.17,373.38 ; D115.A4 340.36,372.57 ; D127.A5 22.86,54.15 ; D127.A5 22.86,52.53 ; D127.A5 23.67,53.34 ; D127.A5 22.05,53.34 ; 240.59,86.36 D321.A4 ; D321.A4 241.3,85.65 ; D321.A4 241.3,87.07 ; D321.A4 242.01,86.36 ; 116.84,72.85 D130.A13 ; D130.A13 117.65,73.66 ; D130.A13 116.03,73.66 ; D130.A13 116.84,74.47 ; SITE3.G19 251.43,186.91 ; SITE3.G19 251.43,185.95 ; SITE3.G19 251.91,186.43 ; SITE3.G19 250.95,186.43 ; D128.B13 43.99,38.1 ; D128.B13 42.37,38.1 ; D128.B13 43.18,38.91 ; D128.B13 43.18,37.29 ; D112.B9 402.13,391.16 ; D112.B9 401.32,390.35 ; D112.B9 401.32,391.97 ; D112.B9 400.51,391.16 ; D116.A9 328.47,396.24 ; D116.A9 326.85,396.24 ; D116.A9 327.66,397.05 ; D116.A9 327.66,395.43 ; D114.A2 346.25,353.06 ; D114.A2 344.63,353.06 ; D114.A2 345.44,353.87 ; D114.A2 345.44,352.25 ; D109.A13 391.97,335.28 ; D109.A13 391.16,334.47 ; D109.A13 391.16,336.09 ; CSDPS229.C15 165.91,330.2 ; CSDPS229.C15 164.29,330.2 ; CSDPS229.C15 165.1,331.01 ; CSDPS229.C15 165.1,329.39 ; D302.B1 307.34,69.29 ; D302.B1 308.05,68.58 ; D302.B1 307.34,67.87 ; D302.B1 306.63,68.58 ; 314.15,388.62 D116.B14 ; D116.B14 315.77,388.62 ; D116.B14 314.96,389.43 ; D116.B14 314.96,387.81 ; D126.B2 15.24,82.09 ; D126.B2 16.05,81.28 ; D126.B2 14.43,81.28 ; D126.B2 15.24,80.47 ; D131.B14 119.38,61.77 ; D131.B14 118.57,60.96 ; D131.B14 120.19,60.96 ; D131.B14 119.38,60.15 ; DPS8.A01 200.66,416.1 ; DPS8.A01 199.85,415.29 ; DPS8.A01 201.47,415.29 ; DPS8.A01 200.66,414.48 ; 172.72,60.15 D119.B6 ; D119.B6 172.72,61.77 ; D119.B6 171.91,60.96 ; D119.B6 173.53,60.96 ; 250.65,332.74 CSDPS225.B10 ; CSDPS225.B10 252.27,332.74 ; CSDPS225.B10 251.46,333.55 ; CSDPS225.B10 251.46,331.93 ; D107.B4 388.62,61.77 ; D107.B4 388.62,60.15 ; D107.B4 387.81,60.96 ; D107.B4 389.43,60.96 ; D116.B8 331.01,388.62 ; D116.B8 330.2,389.43 ; D116.B8 329.39,388.62 ; D116.B8 330.2,387.81 ; 388.62,326.85 D109.B14 ; D109.B14 387.81,327.66 ; D109.B14 389.43,327.66 ; D109.B14 388.62,328.47 ; D120.B6 173.53,40.64 ; D120.B6 171.91,40.64 ; D120.B6 172.72,39.83 ; D120.B6 172.72,41.45 ; D127.A10 35.56,56.69 ; D127.A10 34.75,55.88 ; D127.A10 35.56,55.07 ; D127.A10 36.37,55.88 ; 187.96,70.41 D318.B12 ; D318.B12 187.25,71.12 ; D318.B12 187.96,71.83 ; D318.B12 188.67,71.12 ; 418.29,55.88 D107.A16 ; D107.A16 419.1,55.07 ; D107.A16 419.91,55.88 ; D107.A16 419.1,56.69 ; D113.A8 331.01,332.74 ; D113.A8 330.2,333.55 ; D113.A8 330.2,331.93 ; D113.A8 329.39,332.74 ; D107.B1 381,59.23 ; D107.B1 381.81,58.42 ; D107.B1 380.19,58.42 ; D107.B1 381,57.61 ; 179.53,78.74 D118.B9 ; D118.B9 180.34,77.93 ; D118.B9 180.34,79.55 ; D118.B9 181.15,78.74 ; 96.35,161.85 UNK3U1.4 ; UNK3U1.4 97.29,162.79 ; UNK3U1.4 97.29,160.91 ; UNK3U1.4 98.23,161.85 ; D112.B14 388.62,389.43 ; D112.B14 387.81,388.62 ; D112.B14 388.62,387.81 ; D112.B14 389.43,388.62 ; 340.36,85.65 D301.A14 ; D301.A14 339.65,86.36 ; D301.A14 340.36,87.07 ; D301.A14 341.07,86.36 ; 396.24,349.71 D110.B11 ; D110.B11 395.43,350.52 ; D110.B11 396.24,351.33 ; D110.B11 397.05,350.52 ; SITE1.G9 250.33,248.41 ; SITE1.G9 250.33,247.45 ; SITE1.G9 250.81,247.93 ; SITE1.G9 249.85,247.93 ; D111.A16 384.35,373.38 ; D111.A16 383.54,374.19 ; D111.A16 383.54,372.57 ; D111.A16 382.73,373.38 ; 311.61,78.74 D102.B3 ; D102.B3 312.42,77.93 ; D102.B3 312.42,79.55 ; D102.B3 313.23,78.74 ; D317.A12 188.67,86.36 ; D317.A12 187.96,87.07 ; D317.A12 187.96,85.65 ; D317.A12 187.25,86.36 ; D120.A6 172.72,36.37 ; D120.A6 172.72,34.75 ; D120.A6 171.91,35.56 ; D120.A6 173.53,35.56 ; 391.16,349.71 D110.B13 ; D110.B13 391.16,351.33 ; D110.B13 390.35,350.52 ; D110.B13 391.97,350.52 ; D132.B12 114.3,41.45 ; D132.B12 114.3,39.83 ; D132.B12 113.49,40.64 ; D132.B12 115.11,40.64 ; D123.B15 270.05,58.42 ; D123.B15 268.43,58.42 ; D123.B15 269.24,59.23 ; D123.B15 269.24,57.61 ; D128.A16 50.8,36.37 ; D128.A16 51.61,35.56 ; D128.A16 50.8,34.75 ; D128.A16 49.99,35.56 ; D130.A10 110.03,76.2 ; D130.A10 108.41,76.2 ; D130.A10 109.22,75.39 ; D130.A10 109.22,77.01 ; D120.B9 180.34,38.91 ; D120.B9 181.15,38.1 ; D120.B9 179.53,38.1 ; D120.B9 180.34,37.29 ; D116.A16 309.88,394.51 ; D116.A16 309.07,393.7 ; D116.A16 309.88,392.89 ; D116.A16 310.69,393.7 ; D120.A5 170.18,33.83 ; D120.A5 170.99,33.02 ; D120.A5 170.18,32.21 ; D120.A5 169.37,33.02 ; D122.B10 256.54,82.09 ; D122.B10 256.54,80.47 ; D122.B10 257.35,81.28 ; D122.B10 255.73,81.28 ; D231.B11 176.07,370.84 ; D231.B11 175.26,371.65 ; D231.B11 174.45,370.84 ; D231.B11 175.26,370.03 ; D114.A4 340.36,353.87 ; D114.A4 341.17,353.06 ; D114.A4 340.36,352.25 ; D114.A4 339.55,353.06 ; D131.B10 109.22,61.77 ; D131.B10 110.03,60.96 ; D131.B10 108.41,60.96 ; D131.B10 109.22,60.15 ; 405.59,330.2 D109.B7 ; D109.B7 406.4,331.01 ; D109.B7 406.4,329.39 ; D109.B7 407.21,330.2 ; D120.A7 176.07,33.02 ; D120.A7 175.26,33.83 ; D120.A7 174.45,33.02 ; D120.A7 175.26,32.21 ; 416.56,77.93 D106.B15 ; D106.B15 415.75,78.74 ; D106.B15 416.56,79.55 ; D106.B15 417.37,78.74 ; D118.B1 160.02,79.55 ; D118.B1 160.02,77.93 ; D118.B1 159.21,78.74 ; D118.B1 160.83,78.74 ; 246.38,34.75 D124.A6 ; D124.A6 245.57,35.56 ; D124.A6 247.19,35.56 ; D124.A6 246.38,36.37 ; 319.23,60.96 D103.B6 ; D103.B6 320.85,60.96 ; D103.B6 320.04,61.77 ; D103.B6 320.04,60.15 ; 172.72,367.49 D231.B12 ; D231.B12 172.72,369.11 ; D231.B12 173.53,368.3 ; D231.B12 171.91,368.3 ; 91.44,98.25 D129.B3 ; D129.B3 91.44,99.87 ; D129.B3 90.63,99.06 ; D129.B3 92.25,99.06 ; D102.B16 346.25,81.28 ; D102.B16 345.44,80.47 ; D102.B16 345.44,82.09 ; D102.B16 344.63,81.28 ; 400.51,396.24 D112.A9 ; D112.A9 401.32,395.43 ; D112.A9 401.32,397.05 ; D112.A9 402.13,396.24 ; D128.B12 40.64,41.45 ; D128.B12 39.83,40.64 ; D128.B12 40.64,39.83 ; D128.B12 41.45,40.64 ; D110.B15 386.08,351.33 ; D110.B15 385.27,350.52 ; D110.B15 386.89,350.52 ; D110.B15 386.08,349.71 ; D322.B1 233.68,69.29 ; D322.B1 232.97,68.58 ; D322.B1 234.39,68.58 ; D322.B1 233.68,67.87 ; 321.77,38.1 D104.B7 ; D104.B7 323.39,38.1 ; D104.B7 322.58,37.29 ; D104.B7 322.58,38.91 ; 160.02,375.11 D231.A17 ; D231.A17 160.83,375.92 ; D231.A17 159.21,375.92 ; D231.A17 160.02,376.73 ; 266.7,55.07 D123.A14 ; D123.A14 267.51,55.88 ; D123.A14 266.7,56.69 ; D123.A14 265.89,55.88 ; 198.12,331.93 CSDPS229.B2 ; CSDPS229.B2 197.31,332.74 ; CSDPS229.B2 198.93,332.74 ; CSDPS229.B2 198.12,333.55 ; D129.B8 104.14,102.41 ; D129.B8 104.14,100.79 ; D129.B8 104.95,101.6 ; D129.B8 103.33,101.6 ; D124.A1 234.49,33.02 ; D124.A1 233.68,32.21 ; D124.A1 232.87,33.02 ; D124.A1 233.68,33.83 ; 83.31,208.1 S3_I2C.4 ; S3_I2C.4 84.25,209.04 ; S3_I2C.4 83.31,209.98 ; S3_I2C.4 82.37,209.04 ; 322.58,72.85 D102.A7 ; D102.A7 323.39,73.66 ; D102.A7 321.77,73.66 ; D102.A7 322.58,74.47 ; D306.B2 383.54,71.83 ; D306.B2 384.25,71.12 ; D306.B2 383.54,70.41 ; D306.B2 382.83,71.12 ; D431.B13 170.18,381.81 ; D431.B13 169.37,381 ; D431.B13 170.99,381 ; D431.B13 170.18,380.19 ; 408.23,86.36 D305.A12 ; D305.A12 408.94,85.65 ; D305.A12 408.94,87.07 ; D305.A12 409.65,86.36 ; 172.72,85.65 D317.A6 ; D317.A6 173.43,86.36 ; D317.A6 172.01,86.36 ; D317.A6 172.72,87.07 ; D130.B13 117.65,78.74 ; D130.B13 116.03,78.74 ; D130.B13 116.84,79.55 ; D130.B13 116.84,77.93 ; D102.A2 309.88,77.01 ; D102.A2 310.69,76.2 ; D102.A2 309.07,76.2 ; D102.A2 309.88,75.39 ; D111.A11 397.05,375.92 ; D111.A11 396.24,376.73 ; D111.A11 396.24,375.11 ; D111.A11 395.43,375.92 ; D123.A7 249.73,53.34 ; D123.A7 248.92,52.53 ; D123.A7 248.11,53.34 ; D123.A7 248.92,54.15 ; CSDPS425.B14 242.11,342.9 ; CSDPS425.B14 241.3,342.09 ; CSDPS425.B14 241.3,343.71 ; CSDPS425.B14 240.49,342.9 ; D115.B2 346.25,368.3 ; D115.B2 345.44,369.11 ; D115.B2 344.63,368.3 ; D115.B2 345.44,367.49 ; D322.A11 259.08,64.21 ; D322.A11 259.79,63.5 ; D322.A11 259.08,62.79 ; D322.A11 258.37,63.5 ; D231.B15 165.91,370.84 ; D231.B15 164.29,370.84 ; D231.B15 165.1,371.65 ; D231.B15 165.1,370.03 ; D306.A3 386.79,63.5 ; D306.A3 385.37,63.5 ; D306.A3 386.08,62.79 ; D306.A3 386.08,64.21 ; 259.08,57.61 D123.B11 ; D123.B11 259.89,58.42 ; D123.B11 259.08,59.23 ; D123.B11 258.27,58.42 ; D321.A16 272.49,86.36 ; D321.A16 271.78,85.65 ; D321.A16 271.07,86.36 ; D321.A16 271.78,87.07 ; 194.77,386.08 D431.A3 ; D431.A3 195.58,386.89 ; D431.A3 196.39,386.08 ; D431.A3 195.58,385.27 ; D110.B1 421.64,351.33 ; D110.B1 421.64,349.71 ; D110.B1 420.83,350.52 ; D110.B1 422.45,350.52 ; D128.B6 26.21,40.64 ; D128.B6 25.4,41.45 ; D128.B6 25.4,39.83 ; D128.B6 24.59,40.64 ; 414.02,70.41 D306.B14 ; D306.B14 414.73,71.12 ; D306.B14 414.02,71.83 ; D306.B14 413.31,71.12 ; D115.B5 337.82,371.65 ; D115.B5 337.82,370.03 ; D115.B5 337.01,370.84 ; D115.B5 338.63,370.84 ; D103.A13 337.82,54.15 ; D103.A13 338.63,53.34 ; D103.A13 337.82,52.53 ; D103.A13 337.01,53.34 ; D118.A6 172.72,77.01 ; D118.A6 173.53,76.2 ; D118.A6 172.72,75.39 ; D118.A6 171.91,76.2 ; SITE3.G20 252.63,186.91 ; SITE3.G20 252.15,186.43 ; SITE3.G20 252.63,185.95 ; SITE3.G20 253.11,186.43 ; CSDPS225.C13 244.65,330.2 ; CSDPS225.C13 243.03,330.2 ; CSDPS225.C13 243.84,331.01 ; CSDPS225.C13 243.84,329.39 ; D431.A12 173.53,383.54 ; D431.A12 171.91,383.54 ; D431.A12 172.72,384.35 ; D431.A12 172.72,382.73 ; D119.A14 193.85,55.88 ; D119.A14 192.23,55.88 ; D119.A14 193.04,56.69 ; D119.A14 193.04,55.07 ; D109.A16 384.35,332.74 ; D109.A16 383.54,331.93 ; D109.A16 383.54,333.55 ; D109.A16 382.73,332.74 ; D103.B7 322.58,59.23 ; D103.B7 322.58,57.61 ; D103.B7 321.77,58.42 ; D103.B7 323.39,58.42 ; 413.21,393.7 D112.A4 ; D112.A4 414.02,394.51 ; D112.A4 414.83,393.7 ; D112.A4 414.02,392.89 ; 385.27,355.6 D110.A15 ; D110.A15 386.08,354.79 ; D110.A15 386.08,356.41 ; D110.A15 386.89,355.6 ; 266.7,75.39 D122.A14 ; D122.A14 267.51,76.2 ; D122.A14 266.7,77.01 ; D122.A14 265.89,76.2 ; D106.A16 419.91,76.2 ; D106.A16 419.1,75.39 ; D106.A16 418.29,76.2 ; D106.A16 419.1,77.01 ; D120.B8 178.61,40.64 ; D120.B8 177.8,39.83 ; D120.B8 176.99,40.64 ; D120.B8 177.8,41.45 ; 324.41,91.44 D301.B8 ; D301.B8 325.12,90.73 ; D301.B8 325.12,92.15 ; D301.B8 325.83,91.44 ; 19.51,35.56 D128.A4 ; D128.A4 21.13,35.56 ; D128.A4 20.32,36.37 ; D128.A4 20.32,34.75 ; 342.09,370.84 D115.B3 ; D115.B3 342.9,370.03 ; D115.B3 343.71,370.84 ; D115.B3 342.9,371.65 ; D301.A1 307.34,84.53 ; D301.A1 308.05,83.82 ; D301.A1 307.34,83.11 ; D301.A1 306.63,83.82 ; SITE2.G2 329.33,241.81 ; SITE2.G2 328.85,241.33 ; SITE2.G2 329.33,240.85 ; SITE2.G2 329.81,241.33 ; D102.A13 338.63,73.66 ; D102.A13 337.82,74.47 ; D102.A13 337.01,73.66 ; D102.A13 337.82,72.85 ; SITE4.G14 330.23,183.31 ; SITE4.G14 329.75,182.83 ; SITE4.G14 330.71,182.83 ; SITE4.G14 330.23,182.35 ; 11.89,38.1 D128.B1 ; D128.B1 12.7,37.29 ; D128.B1 13.51,38.1 ; D128.B1 12.7,38.91 ; D102.B4 314.96,82.09 ; D102.B4 314.15,81.28 ; D102.B4 314.96,80.47 ; D102.B4 315.77,81.28 ; 20.32,39.83 D128.B4 ; D128.B4 21.13,40.64 ; D128.B4 20.32,41.45 ; D128.B4 19.51,40.64 ; D119.B3 165.1,59.23 ; D119.B3 165.91,58.42 ; D119.B3 164.29,58.42 ; D119.B3 165.1,57.61 ; 329.85,247.93 SITE2.G9 ; SITE2.G9 330.81,247.93 ; SITE2.G9 330.33,248.41 ; SITE2.G9 330.33,247.45 ; CSDPS229.C3 196.39,330.2 ; CSDPS229.C3 195.58,331.01 ; CSDPS229.C3 195.58,329.39 ; CSDPS229.C3 194.77,330.2 ; D115.A5 338.63,375.92 ; D115.A5 337.82,376.73 ; D115.A5 337.82,375.11 ; D115.A5 337.01,375.92 ; 347.98,354.79 D114.A1 ; D114.A1 347.17,355.6 ; D114.A1 347.98,356.41 ; D114.A1 348.79,355.6 ; 325.12,60.15 D103.B8 ; D103.B8 325.93,60.96 ; D103.B8 325.12,61.77 ; D103.B8 324.31,60.96 ; 326.95,83.82 D301.A9 ; D301.A9 328.37,83.82 ; D301.A9 327.66,84.53 ; D301.A9 327.66,83.11 ; 243.03,73.66 D122.A5 ; D122.A5 243.84,74.47 ; D122.A5 244.65,73.66 ; D122.A5 243.84,72.85 ; D109.A3 417.37,335.28 ; D109.A3 415.75,335.28 ; D109.A3 416.56,334.47 ; D109.A3 416.56,336.09 ; 388.62,80.47 D106.B4 ; D106.B4 387.81,81.28 ; D106.B4 389.43,81.28 ; D106.B4 388.62,82.09 ; D322.A15 269.24,64.21 ; D322.A15 269.24,62.79 ; D322.A15 268.53,63.5 ; D322.A15 269.95,63.5 ; D125.B13 43.99,99.06 ; D125.B13 42.37,99.06 ; D125.B13 43.18,98.25 ; D125.B13 43.18,99.87 ; 103.33,40.64 D132.B8 ; D132.B8 104.14,39.83 ; D132.B8 104.95,40.64 ; D132.B8 104.14,41.45 ; 381,62.79 D306.A1 ; D306.A1 380.29,63.5 ; D306.A1 381.71,63.5 ; D306.A1 381,64.21 ; 105.87,53.34 D131.A9 ; D131.A9 106.68,52.53 ; D131.A9 106.68,54.15 ; D131.A9 107.49,53.34 ; D124.B11 259.89,38.1 ; D124.B11 259.08,37.29 